# Altium PCB COPY_HIVE_BOARD.PcbDoc (part 7 of 9) (continued)
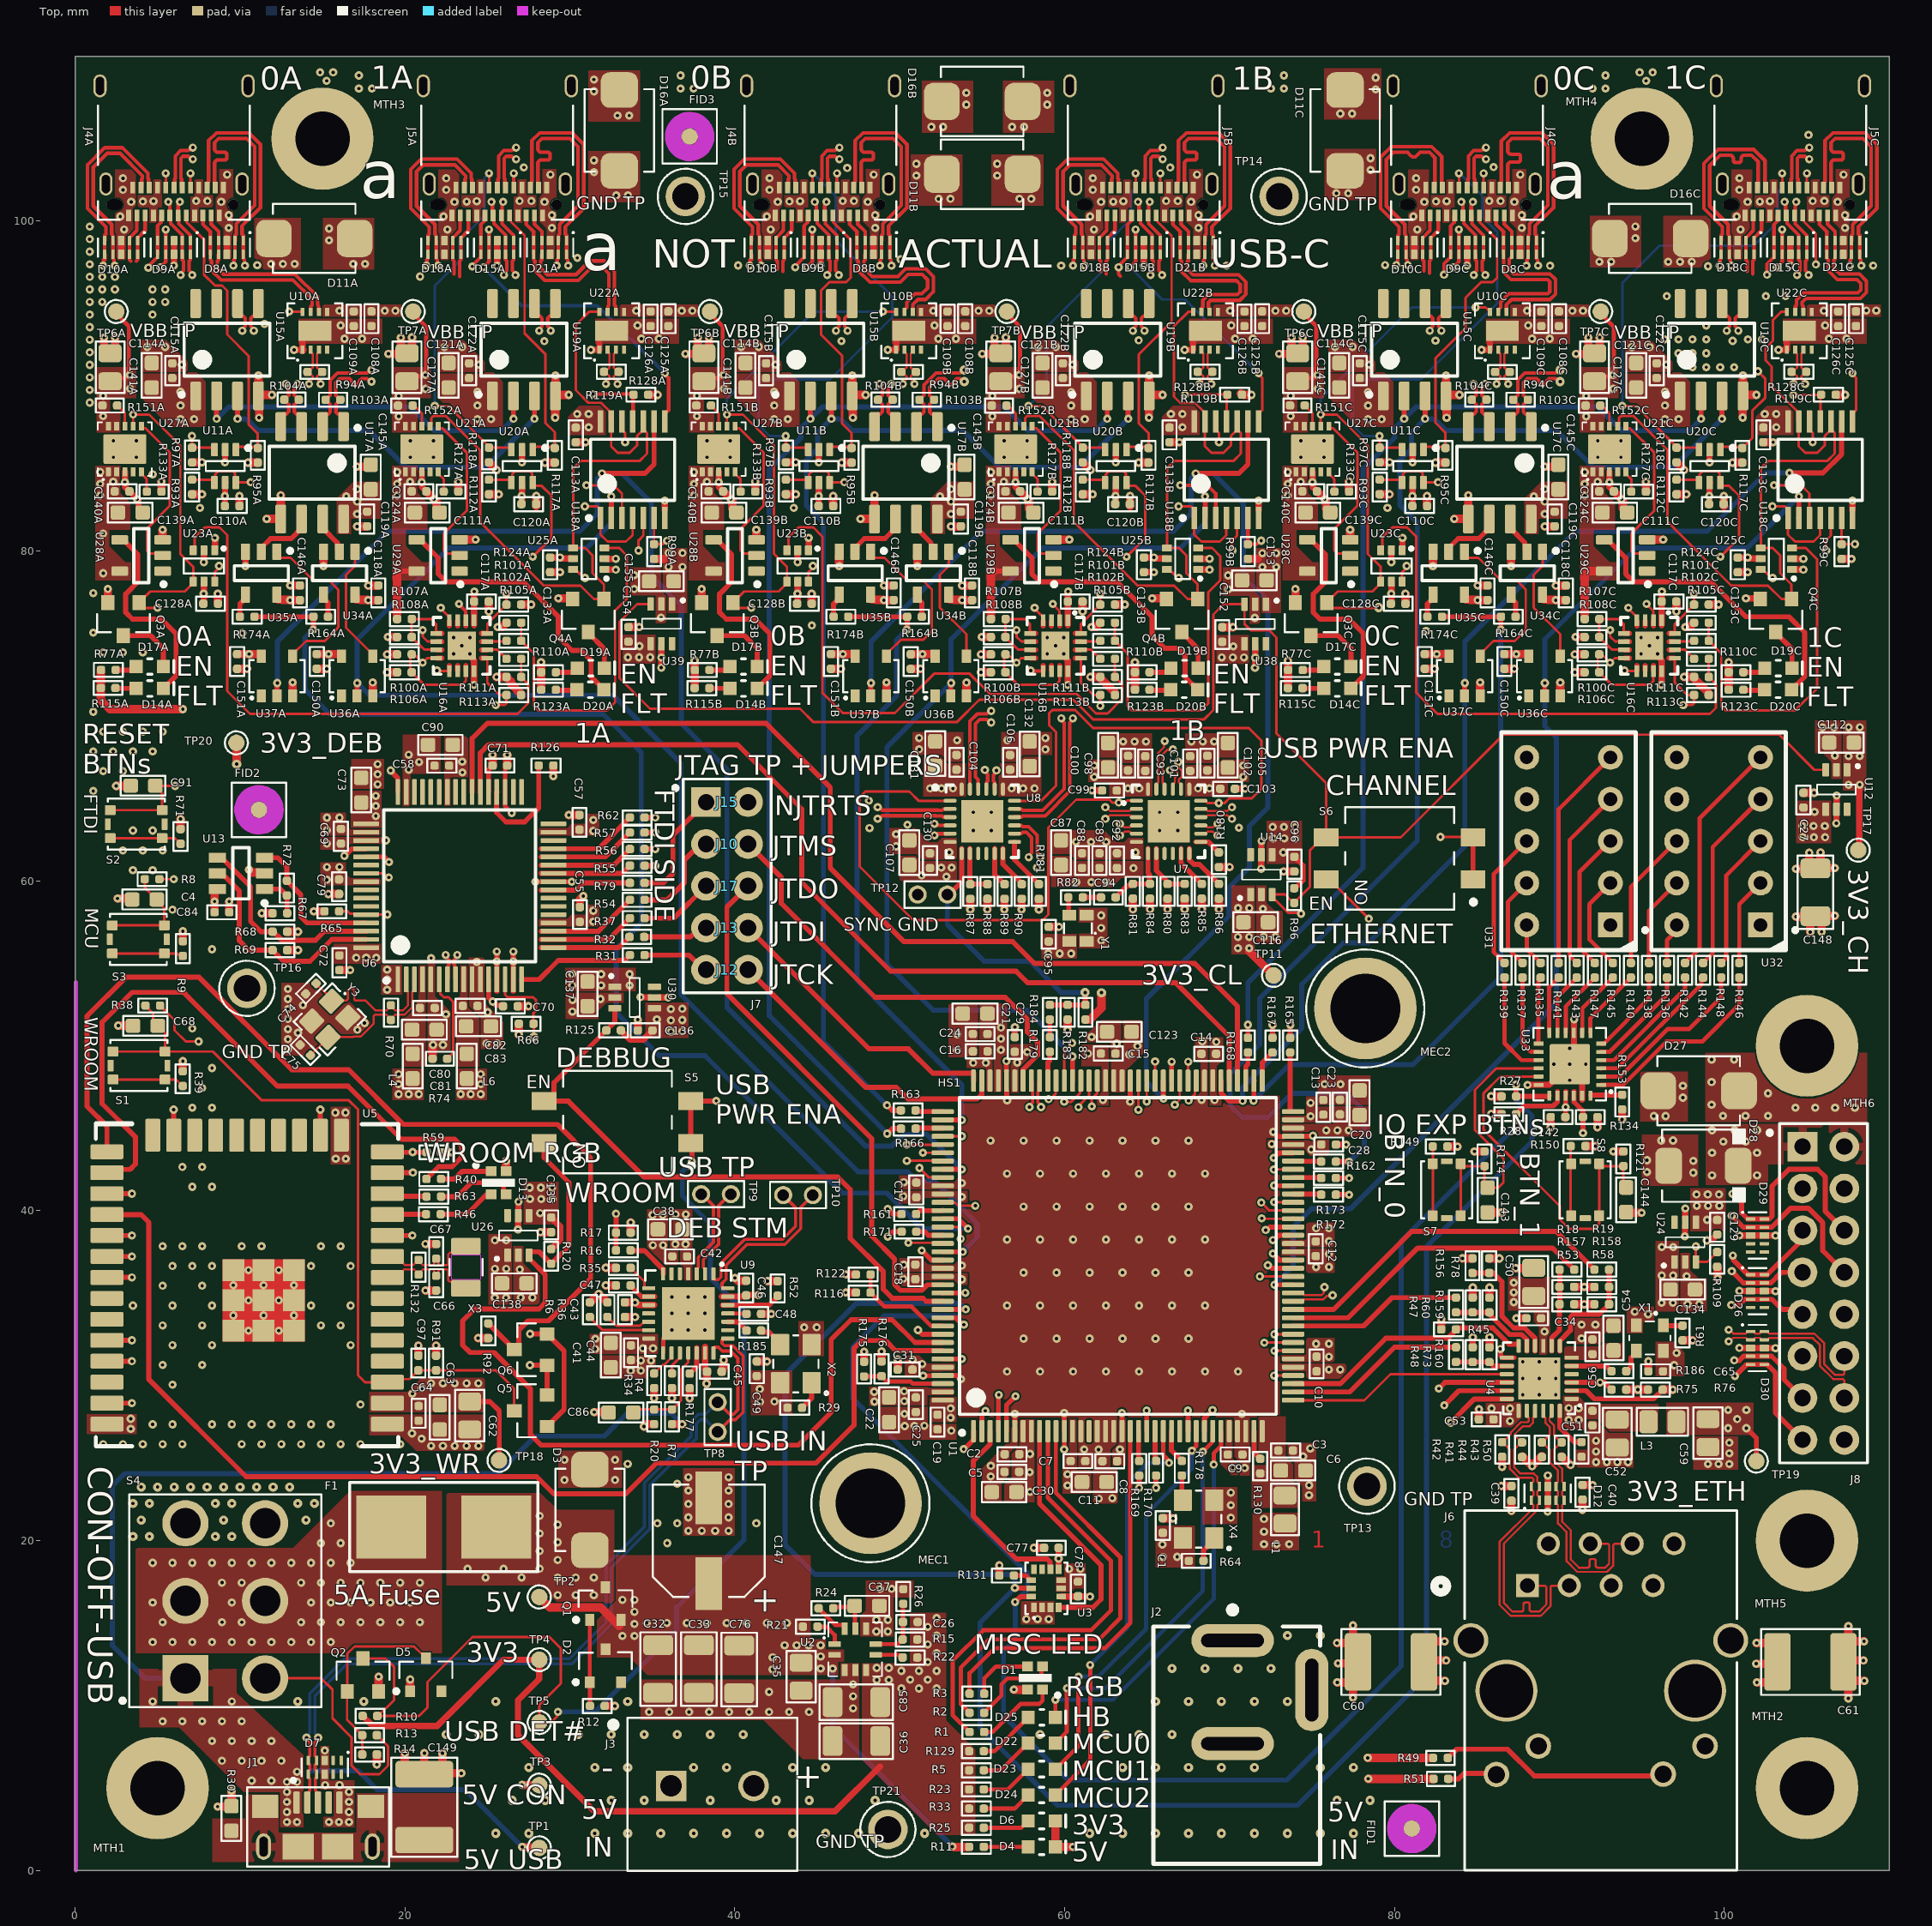
[diagram p0: Top view]
## Nets (pads, with @x,y where several pads share a name; then routed paths per layer and width w, separated by ;. In a path a pad name is that pad's centre, name@x,y a point inside that pad or via, vN(x,y) a via of type N, cw(c..) or ccw(c..) an arc to the next point about the centre after c; other vN are vias at no path point) (continued)
NetJ4A_1: J4A.1 J4A.2 J4A.3 J4A.4 R154A.2
NetJ4B_1: J4B.1 J4B.2 J4B.3 J4B.4 R154B.2
NetJ4C_1: J4C.1 J4C.2 J4C.3 J4C.4 R154C.2
NetJ5A_1: J5A.1 J5A.2 J5A.3 J5A.4 R155A.2
NetJ5B_1: J5B.1 J5B.2 J5B.3 J5B.4 R155B.2
NetJ5C_1: J5C.1 J5C.2 J5C.3 J5C.4 R155C.2
NetJ6_9: J6.9 R51.2 | length 3.1
  Top w0.305: R51.2@83.254,5.56 83.881,5.56 84.218,5.897 86.101,5.897 J6.9@86.175,5.824
NetJ6_11: J6.11 R49.2 | length 14
  Top w0.305: R49.2@83.223,6.824 83.761,7.362 86.842,7.362 88.46,5.744 96.185,5.744 J6.11@96.285,5.844
NetJ7_1: J7.1 R79.1 | length 7.1
  Top w0.305: R79.1@34.524,59.879 35.68,59.879 36.247,60.447 36.247,62.765 J7.1@38.259,64.777
NetJ7_2: J7.2 U1.131 | length 61
  Top w0.305: U1.131@52.599,35.012 U1.131@52.601,35.014 52.604,35.017 53.974,35.017 v1(53.98,35.023)
  Signal_1 w0.152: J7.2@40.799,64.777 39.541,63.519 39.541,51.331 38.298,50.088 34.183,50.088 31.415,47.32 31.415,39.6 31.745,39.271 33.016,39.271 35.953,42.207 40.333,42.207 43.175,39.365 51.228,39.365 52.761,37.833 52.761,35.759 53.476,35.043 53.96,35.043 v1(53.98,35.023)
NetJ7_3: J7.3 R54.1 | length 5.9
  Top w0.305: R54.1@34.528,58.851 35.906,58.851 36.929,59.874 36.929,61.252 37.914,62.237 J7.3@38.259,62.237
NetJ7_4: J7.4 U1.102 | length 26.6
  Top w0.305: J7.4@40.799,62.237 42.822,60.214 42.822,58.631 48.508,52.945 56.395,52.945 57.742,51.598 57.742,50.839 58.353,50.228 58.353,49.438 57.476,48.561 U1.102@57.476,47.889
NetJ7_5: J7.5 R37.1 | length 4.5
  Top w0.305: R37.1@34.528,57.741 36.303,57.741 J7.5@38.259,59.697
NetJ7_6: J7.6 U1.130 | length 32.1
  Top w0.305: J7.6@40.799,59.697 39.522,58.42 39.522,53.156 48.299,44.379 48.299,38.462 49.689,37.072 49.689,35.528 50.044,35.173 51.332,35.173 51.671,35.512 52.599,35.512 U1.130@52.601,35.514
NetJ7_7: J7.7 R32.1 | length 4
  Top w0.305: R32.1@34.503,56.601 37.299,56.601 37.854,57.157 J7.7@38.259,57.157
NetJ7_8: J7.8 U1.108 | length 17.8
  Top w0.305: J7.8@40.799,57.157 48.141,49.814 50.525,49.814 52.002,48.337 54.474,48.337 54.476,48.334 U1.108@54.476,47.889
NetJ7_9: J7.9 R31.1 | length 4.1
  Top w0.305: R31.1@34.528,55.502 37.224,55.502 38.11,54.617 J7.9@38.259,54.617
NetJ7_10: J7.10 U1.107 | length 18.4
  Top w0.305: J7.10@40.799,54.617 44.093,51.323 47.925,47.491 49.781,47.491 50.494,46.778 54.698,46.778 54.974,47.054 54.974,47.887 U1.107@54.976,47.889
NetQ5_1: Q5.1 Q6.2 U6.55 | length 61.8
  Top w0.152: U6.55@17.641,60.452 18.731,60.452 18.974,60.21 v1(19.02,60.21)
  Top w0.305: v1@27.592,32.529 Q6.2@28.623,32.529 28.673,32.529 28.921,32.281 28.921,32.231 29.649,31.503 29.649,27.948 28.921,27.22 28.921,27.17 28.673,26.923 Q5.1@28.623,26.923
  Signal_1 w0.152: v1@18.997,60.21 15.075,56.289 6.749,56.289 5.427,54.966 5.427,45.482 7.508,43.4 13.801,43.4 24.214,32.987 27.134,32.987 v1(27.587,32.534)
NetQ5_2: Q5.2 Q6.1 U6.53 | length 61.9
  Top w0.305: U6.53@17.641,61.452 18.723,61.452 v1(19.032,61.143) ; v1(27.582,30.638) 27.587,30.634 28.619,30.634 Q6.1@28.623,30.629 Q5.2@28.623,28.823
  Signal_1 w0.152: v1(19.032,61.143) 18.387,61.143 14.791,57.547 5.764,57.547 4.59,56.372 4.59,43.588 6.134,42.044 12.731,42.044 23.122,31.653 26.568,31.653 v1(27.582,30.638)
NetR4_2: R4.2 U9.17 | length 1.4
  Top w0.152: R4.2@36.191,30.141 36.191,30.623 36.406,30.838 ; 36.406,30.838 36.671,31.102 U9.17@36.671,31.377
NetR6_2: R6.2 U9.13 | length 3.9
  Top w0.152: R6.2@31.215,33.536 31.989,32.762 U9.13@34.778,32.762
NetR9_2: R9.2 S3.1 S3.2 | length 4.4
  Top w0.152: S3.2@2.258,55.605 S3.1@5.408,55.605 6.182,55.605 R9.2@6.523,55.264
NetR13_2: R13.2 S4.4 | length 14.2
  Top w0.152: S4.4@11.522,11.653 14.923,11.653 15.609,10.968 15.609,9.228 16.755,8.081 16.755,6.369 17.282,5.842 18.456,5.842 18.978,6.364 18.978,7.537 R13.2@18.296,8.219
NetR16_1: R16.1 U9.7 | length 2.7
  Top w0.305: R16.1@33.671,37.582 34.526,37.582 35.655,36.453 U9.7@35.655,36.178
NetR16_2: R16.2 R17.1 U1.98 | length 38.7
  Top w0.152: v1(59.03,46.761) 59.123,46.761 59.464,47.102 59.464,47.877 U1.98@59.476,47.889
  Top w0.305: R16.2@32.782,37.582 32.789,37.588 32.789,38.667 R17.1@32.795,38.674 32.797,38.676 32.797,39.821 v1(32.799,39.823)
  Signal_1 w0.152: v1(32.799,39.823) 32.799,46.728 35.216,49.145 53.148,49.145 55.032,47.26 58.531,47.26 v1(59.03,46.761)
NetR18_2: R18.2 U1.47 | length 19.3
  Top w0.305: U1.47@73.851,33.514 77.18,33.514 81.408,37.743 89.581,37.743 R18.2@90.892,36.431
NetR19_2: R19.2 U1.48 | length 21.2
  Top w0.305: U1.48@73.851,34.014 76.302,34.014 81.036,38.749 89.796,38.749 R19.2@92.113,36.431
NetR21_1: R21.1 U2.1 | length 1.8
  Top w0.254: R21.1@45.018,14.787 45.552,14.787 46.054,14.285 U2.1@46.054,13.731
NetR22_2: R22.2 U2.6 | length 1.7
  Top w0.254: U2.6@48.554,13.081 49.996,13.081 50.162,12.915 R22.2@50.176,12.915
NetR24_1: R24.1 U2.10 | length 2.2
  Top w0.254: R24.1@45.079,15.9 46.098,14.881 46.606,14.881 46.654,14.833 U2.10@46.654,14.656
NetR29_2: R29.2 X2.1 | length 1.8
  Top w0.305: R29.2@44.079,28.058 44.651,28.63 X2.1@44.651,29.576
NetR31_2: R31.2 U6.16 | length 7.2
  Top w0.305: U6.16@27.071,54.022 28.139,54.022 29.299,55.183 33.319,55.183 R31.2@33.639,55.502
NetR32_2: R32.2 U6.17 | length 5.6
  Top w0.305: U6.17@28.242,55.952 U6.17@28.989,55.952 ; U6.17@29.001,55.952 32.965,55.952 R32.2@33.614,56.601
NetR34_1: R34.1 U9.16 | length 1.7
  Top w0.152: R34.1@35.109,30.139 35.642,30.672 35.732,30.672 36.163,31.102 U9.16@36.163,31.377
NetR35_2: R35.2 U9.8 | length 1.8
  Top w0.152: R35.2@33.684,36.54 34.517,35.707 34.517,35.35 34.566,35.302 U9.8@34.778,35.302
NetR36_2: R36.2 U9.12 | length 2.8
  Top w0.152: R36.2@32.276,33.558 32.801,33.033 34.266,33.033 34.503,33.27 U9.12@34.778,33.27
NetR37_2: R37.2 U6.18 | length 5.9
  Top w0.305: U6.18@28.242,56.452 U6.18@28.989,56.452 ; U6.18@29.001,56.452 32.35,56.452 R37.2@33.639,57.741
NetR38_2: R38.2 U1.2 | length 65.5
  Top w0.152: R38.2@5.156,52.439 6.034,51.561 6.034,50.945 6.716,50.263 v1(7.49,50.263)
  Top w0.305: U1.2@54.976,26.639 54.979,26.642 54.979,27.593 55.192,27.806 v1(55.192,27.873)
  Signal_1 w0.152: v1(7.49,50.263) 8.209,50.263 13.918,44.555 16.025,44.555 17.285,43.295 17.285,41.468 19.678,39.075 20.965,39.075 24.129,35.912 38.717,35.912 39.494,36.69 47.231,36.69 48.742,35.179 51.079,35.179 55.192,31.066 v1(55.192,27.873)
NetR39_2: R39.2 S1.1 S1.2 | length 4.4
  Top w0.152: S1.2@2.305,47.955 S1.1@5.455,47.955 6.139,47.955 R39.2@6.53,47.565
NetR45_1: R45.1 U1.39 U4.12 | length 15.5
  Top w0.305: U1.39@73.851,29.514 76.711,29.514 79.464,32.268 83.228,32.268 83.742,32.783 83.742,32.817 83.819,32.893 85.96,32.893 86.938,31.915 U4.12@87.492,31.915
NetR47_2: R47.2 U1.46 | length 10.6
  Top w0.305: U1.46@73.851,33.014 78.125,33.014 79.845,34.734 R47.2@83.721,34.734
NetR48_2: R48.2 U1.38 | length 11
  Top w0.305: U1.38@73.851,29.014 77.284,29.014 79.996,31.726 R48.2@83.721,31.726
NetR50_2: R50.2 U4.24 | length 3
  Top w0.305: U4.24@90.019,28.186 90.019,26.851 90.888,25.983 91.233,25.983 91.242,25.974 R50.2@91.335,25.974
NetR52_2: R52.2 U9.26 | length 3.6
  Top w0.305: U9.26@39.25,34.286 U9.26@39.579,34.286 42.081,34.286 42.494,34.699 42.494,34.746 R52.2@42.596,34.848
NetR54_2: R54.2 U6.19 | length 6.2
  Top w0.305: U6.19@28.242,56.952 U6.19@28.989,56.952 ; U6.19@29.001,56.952 31.74,56.952 31.862,57.074 R54.2@33.639,58.851
NetR55_1: R55.1 U5.16 | length 32.6
  Top w0.305: U5.16@14.877,44.579 v1@14.877,46.124 ; R55.1@34.524,60.922 v1(35.176,60.922)
  Signal_1 w0.152: v1(14.87,46.131) 14.87,46.168 20.828,52.127 20.828,58.946 22.804,60.922 v1(35.176,60.922)
NetR55_2: R55.2 U6.26 | length 5.6
  Top w0.305: U6.26@28.242,60.452 U6.26@28.989,60.452 ; U6.26@29.001,60.452 33.166,60.452 R55.2@33.635,60.922
NetR56_1: R56.1 R59.2 U5.14 | length 32.3
  Top w0.305: U5.14@18.932,43.579 18.964,43.546 R59.2@21.308,43.546 ; R59.2@21.311,43.546 R59.2@21.308,43.546 ; R59.2@21.311,43.55 R59.2@21.308,43.546 ; R56.1@34.524,61.933 v1(35.176,61.933)
  Signal_1 w0.152: v1(20.466,43.558) 21.511,44.602 24.745,44.602 28.487,48.344 28.487,55.824 29.674,57.011 33.804,57.011 35.799,59.007 35.799,61.31 v1(35.176,61.933)
NetR56_2: R56.2 U6.27 | length 5.8
  Top w0.305: U6.27@28.242,60.952 U6.27@28.989,60.952 ; U6.27@29.001,60.952 32.655,60.952 R56.2@33.635,61.933
NetR57_1: R57.1 U5.23 | length 43.2
  Top w0.305: U5.23@5.987,44.579 v1@5.987,46.124 ; R57.1@34.524,62.933 v1(35.176,62.933)
  Signal_1 w0.152: v1(5.98,46.131) 7.176,47.327 7.176,49.468 6.446,50.199 6.446,53.782 7.881,55.217 15.238,55.217 21.954,61.933 34.175,61.933 v1(35.176,62.933)
NetR57_2: R57.2 U6.28 | length 6
  Top w0.305: U6.28@28.242,61.452 U6.28@28.989,61.452 ; U6.28@29.001,61.452 32.154,61.452 R57.2@33.635,62.933
NetR61_2: R61.2 X1.1 | length 1.2
  Top w0.305: X1.1@96.272,33.011 96.284,33.023 97.446,33.023 R61.2@97.458,33.035
NetR62_1: R62.1 U5.13 | length 36.2
  Top w0.305: U5.13@18.925,42.302 U5.13@18.932,42.309 v1@20.477,42.309 ; R62.1@34.524,63.843 v1(35.176,63.843)
  Signal_1 w0.152: v1(20.484,42.316) 24.24,42.316 29.356,47.432 29.356,54.89 30.005,55.539 34.773,55.539 36.872,57.638 36.872,62.146 v1(35.176,63.843)
NetR62_2: R62.2 U6.29 | length 6.2
  Top w0.305: U6.29@28.242,61.952 U6.29@28.989,61.952 ; U6.29@29.001,61.952 31.745,61.952 R62.2@33.635,63.843
NetR65_1: R65.1 U1.127 U6.60 | length 61.6
  Top w0.152: R65.1@16.009,58.155 16.022,58.168 16.516,58.168 16.667,58.016 17.578,58.016 U6.60@17.641,57.952 17.646,57.957 18.933,57.957 v1(18.938,57.962)
  Top w0.305: v1(51.335,37.589) 51.907,37.017 52.599,37.017 U1.127@52.601,37.014
  Signal_1 w0.152: v1(18.938,57.962) 19.693,57.207 19.693,52.635 15.517,48.459 14.252,47.194 14.252,45.854 14.69,45.416 17.219,45.416 18.118,44.517 18.118,42.009 19.91,40.217 21.722,40.217 24.88,37.06 37.97,37.06 38.499,37.589 v1(51.335,37.589)
NetR67_1: R67.1 R72.2 U13.1 | length 2.6
  Top w0.305: U13.1@11.486,59.506 12.455,59.506 R72.2@12.844,59.116 12.853,59.107 12.853,58.05 R67.1@12.863,58.04
NetR71_2: R71.2 S2.1 S2.2 | length 4.4
  Top w0.152: S2.2@2.133,62.59 S2.1@5.283,62.59 6.056,62.59 R71.2@6.397,62.249
NetR74_2: R74.2 U6.6 | length 5.5
  Top w0.152: U6.6@22.071,54.022 22.133,53.961 22.133,53.166 22.358,52.941 22.649,52.941 22.936,52.654 22.936,49.59 R74.2@22.564,49.217
NetR79_2: R79.2 U6.24 | length 5.6
  Top w0.305: U6.24@28.254,59.44 U6.24@29.001,59.44 ; U6.24@29.014,59.44 29.715,59.44 30.408,59.44 30.847,59.879 R79.2@33.635,59.879
NetR80_1: R80.1 R83.2 U7.8 | length 3.4
  Top w0.305: U7.8@65.554,61.965 U7.8@65.554,61.663 65.554,60.624 R80.1@66.299,59.878 ; R80.1@66.238,59.817 66.242,59.812 67.268,59.812 R83.2@67.274,59.819
NetR82_2: R82.2 Y1.3 | length 1.1
  Top w0.305: R82.2@60.21,59.003 60.244,58.969 60.244,57.959 Y1.3@60.278,57.925
NetR85_1: R85.1 U7.11 | length 2.7
  Top w0.305: U7.11@67.054,61.965 U7.11@67.054,61.663 67.054,61.062 67.602,60.514 67.613,60.514 68.209,59.919 R85.1@68.311,59.817
NetR86_1: R86.1 U7.12 | length 3.1
  Top w0.305: U7.12@67.554,61.965 67.554,61.275 67.831,60.998 68.166,60.998 69.245,59.919 R86.1@69.347,59.817
NetR87_1: R87.1 R88.2 U8.8 | length 3.2
  Top w0.305: R87.1@54.254,59.802 U8.8@54.254,61.663 U8.8@54.254,61.965 ; R87.1@54.275,59.802 R87.1@54.275,59.802 R88.2@55.315,59.804 R88.2@55.315,59.804
NetR89_1: R89.1 U8.11 | length 2.4
  Top w0.305: U8.11@55.754,61.965 U8.11@55.754,61.663 55.754,60.393 56.243,59.903 R89.1@56.345,59.802
NetR90_1: R90.1 U8.12 | length 2.6
  Top w0.305: U8.12@56.254,61.965 56.254,61.015 57.28,59.989 57.28,59.903 R90.1@57.381,59.802
NetR100A_2: R100A.2 R106A.1 U16A.4 U16A.6 U16A.8 U16A.11 | length 13.7
  Top w0.152: v1(21.075,75.208) 21.075,74.81 21.366,74.519 21.881,74.519 U16A.6@21.894,74.506 ; U16A.8@21.894,73.506 21.353,73.506 v1(21.075,73.228) 20.57,73.733 R100A.2@20.412,73.733 20.32,73.641 20.32,72.739 R106A.1@20.41,72.649 21.177,71.882 23.444,71.882 23.694,72.131 U16A.11@23.694,72.706 ; v1(22.174,76.556) 22.174,76.511 22.694,75.991 U16A.4@22.694,75.806
  Signal_2 w0.152: v1(21.075,73.228) v1(21.075,75.208) 21.075,76.045 21.585,76.556 v1(22.174,76.556)
NetR100B_2: R100B.2 R106B.1 U16B.4 U16B.6 U16B.8 U16B.11 | length 13.7
  Top w0.152: v1(57.075,75.208) 57.075,74.81 57.366,74.519 57.881,74.519 U16B.6@57.894,74.506 ; U16B.8@57.894,73.506 57.353,73.506 v1(57.075,73.228) 56.57,73.733 R100B.2@56.412,73.733 56.32,73.641 56.32,72.739 R106B.1@56.41,72.649 57.177,71.882 59.444,71.882 59.694,72.131 U16B.11@59.694,72.706 ; v1(58.174,76.556) 58.174,76.511 58.694,75.991 U16B.4@58.694,75.806
  Signal_2 w0.152: v1(57.075,73.228) v1(57.075,75.208) 57.075,76.045 57.585,76.556 v1(58.174,76.556)
NetR100C_2: R100C.2 R106C.1 U16C.4 U16C.6 U16C.8 U16C.11 | length 13.7
  Top w0.152: v1(93.075,75.208) 93.075,74.81 93.366,74.519 93.881,74.519 U16C.6@93.894,74.506 ; U16C.8@93.894,73.506 93.353,73.506 93.075,73.228 92.57,73.733 R100C.2@92.412,73.733 92.32,73.641 92.32,72.739 R106C.1@92.41,72.649 93.177,71.882 95.444,71.882 95.694,72.131 U16C.11@95.694,72.706 ; v1(94.174,76.556) 94.174,76.511 94.694,75.991 U16C.4@94.694,75.806
  Signal_2 w0.152: v1(93.066,73.228) 93.066,75.199 v1(93.075,75.208) 93.075,76.045 93.585,76.556 v1(94.174,76.556)
NetR102A_1: R102A.1 U16A.15 | length 1.2
  Top w0.152: U16A.15@25.006,74.519 26.12,74.519 R102A.1@26.158,74.557
NetR102B_1: R102B.1 U16B.15 | length 1.2
  Top w0.152: U16B.15@61.006,74.519 62.12,74.519 R102B.1@62.158,74.557
NetR102C_1: R102C.1 U16C.15 | length 1.2
  Top w0.152: U16C.15@97.006,74.519 98.12,74.519 R102C.1@98.158,74.557
NetR105A_1: R105A.1 U16A.14 | length 1.4
  Top w0.152: U16A.14@25.003,74.016 25.604,74.016 R105A.1@26.158,73.461
NetR105B_1: R105B.1 U16B.14 | length 1.4
  Top w0.152: U16B.14@61.003,74.016 61.604,74.016 R105B.1@62.158,73.461
NetR105C_1: R105C.1 U16C.14 | length 1.4
  Top w0.152: U16C.14@97.003,74.016 97.604,74.016 R105C.1@98.158,73.461
NetR107A_2: R107A.2 R108A.2 U16A.5 U16A.7 | length 5.1
  Top w0.152: U16A.7@21.894,74.006 21.881,74.019 21.174,74.019 20.942,74.251 R108A.2@20.41,74.783 20.413,74.787 20.413,75.871 R107A.2@20.417,75.874 21.597,75.874 21.894,75.578 U16A.5@21.894,75.006
NetR107B_2: R107B.2 R108B.2 U16B.5 U16B.7 | length 5.1
  Top w0.152: U16B.7@57.894,74.006 57.881,74.019 57.174,74.019 56.942,74.251 R108B.2@56.41,74.783 56.413,74.787 56.413,75.871 R107B.2@56.417,75.874 57.597,75.874 57.894,75.578 U16B.5@57.894,75.006
NetR107C_2: R107C.2 R108C.2 U16C.5 U16C.7 | length 5.1
  Top w0.152: U16C.7@93.894,74.006 93.881,74.019 93.174,74.019 92.942,74.251 R108C.2@92.41,74.783 92.413,74.787 92.413,75.871 R107C.2@92.417,75.874 93.597,75.874 93.894,75.578 U16C.5@93.894,75.006
NetR116_2: R116.2 R122.1 U1.135 | length 6.3
  Top w0.254: R122.1@48.23,36.135 R116.2@48.23,35.043 49.073,34.2 50.712,34.2 51.875,33.037 52.578,33.037 U1.135@52.601,33.014
NetR126_1: R126.1 U6.36 | length 7
  Top w0.305: U6.36@25.571,65.382 25.559,65.37 25.559,64.669 25.552,64.662 25.552,64.146 26.122,63.576 27.261,63.576 28.11,64.426 R126.1@28.11,66.995
NetR127A_1: R127A.1 U21A.5 | length 1.3
  Top w0.152: U21A.5@22.023,84.797 22.023,84.682 22.351,84.354 R127A.1@22.351,83.604
NetR127B_1: R127B.1 U21B.5 | length 1.3
  Top w0.152: U21B.5@58.023,84.797 58.023,84.682 58.351,84.354 R127B.1@58.351,83.604
NetR127C_1: R127C.1 U21C.5 | length 1.3
  Top w0.152: U21C.5@94.023,84.797 94.023,84.682 94.351,84.354 R127C.1@94.351,83.604
NetR130_2: R130.2 U1.35 | length 1.8
  Top w0.305: U1.35@71.476,26.639 71.476,25.343 R130.2@71.854,24.965
NetR133A_1: R133A.1 U27A.5 | length 1.3
  Top w0.152: U27A.5@4.023,84.797 4.023,84.682 4.351,84.354 R133A.1@4.351,83.604
NetR133B_1: R133B.1 U27B.5 | length 1.2
  Top w0.152: U27B.5@40.023,84.682 40.351,84.354 R133B.1@40.351,83.604
NetR133C_1: R133C.1 U27C.5 | length 1.3
  Top w0.152: U27C.5@76.023,84.797 76.023,84.682 76.351,84.354 R133C.1@76.351,83.604
NetR135_2: R135.2 U31.10 | length 2.7
  Top w0.254: U31.10@88.008,57.33 88.008,55.872 R135.2@88.854,55.027
NetR136_2: R136.2 U32.10 | length 2.5
  Top w0.254: R136.2@96.517,55.027 96.517,56.403 97.104,56.99 U32.10@97.104,57.33
NetR137_2: R137.2 U31.9 | length 5.7
  Top w0.254: R137.2@87.759,55.027 86.865,55.92 86.865,58.727 U31.9@88.008,59.87
NetR138_2: R138.2 U32.9 | length 5.5
  Top w0.254: R138.2@95.423,55.027 95.423,58.188 U32.9@97.104,59.87
NetR139_2: R139.2 U31.8 | length 8.5
  Top w0.254: R139.2@86.664,55.027 86.025,55.666 86.025,60.427 U31.8@88.008,62.41
NetR140_2: R140.2 U32.8 | length 8.5
  Top w0.254: R140.2@94.328,55.027 94.328,59.634 U32.8@97.104,62.41
NetR141_2: R141.2 U31.5 | length 13.8
  Top w0.254: R141.2@89.949,55.027 89.949,64.35 U31.5@93.088,67.49
NetR142_2: R142.2 U32.5 | length 14.4
  Top w0.254: R142.2@97.612,55.027 98.501,55.915 98.501,63.807 U32.5@102.184,67.49
NetR143_2: R143.2 U31.4 | length 11.1
  Top w0.254: R143.2@91.043,55.027 90.609,55.461 90.609,62.471 U31.4@93.088,64.95
NetR144_2: R144.2 U32.4 | length 11.4
  Top w0.254: R144.2@98.707,55.027 99.289,55.609 99.289,62.055 U32.4@102.184,64.95
NetR145_2: R145.2 U31.2 | length 6
  Top w0.254: U31.2@93.088,59.87 91.804,58.585 91.804,56.456 R145.2@93.233,55.027
NetR146_2: R146.2 U32.2 | length 5.4
  Top w0.254: R146.2@100.897,55.027 100.897,58.583 U32.2@102.184,59.87
NetR147_2: R147.2 U31.3 | length 8.5
  Top w0.254: R147.2@92.138,55.027 91.216,55.948 91.216,60.538 U31.3@93.088,62.41
NetR148_2: R148.2 U32.3 | length 8.4
  Top w0.254: R148.2@99.802,55.027 100.11,55.334 100.11,60.335 U32.3@102.184,62.41
NetR149_2: R149.2 S7.1 S7.2 | length 4.2
  Top w0.152: S7.1@82.31,39.705 82.314,39.705 R149.2@82.314,43.897
NetR150_2: R150.2 S8.1 S8.2 | length 4.2
  Top w0.152: R150.2@90.679,43.922 90.679,39.727 S8.1@90.707,39.699
NetR151A_2: R151A.2 U27A.8 | length 1.5
  Top w0.152: R151A.2@2.553,88.824 3.023,88.354 U27A.8@3.023,87.567
NetR151B_2: R151B.2 U27B.8 | length 1.5
  Top w0.152: R151B.2@38.553,88.824 39.023,88.354 U27B.8@39.023,87.567
NetR151C_2: R151C.2 U27C.8 | length 1.5
  Top w0.152: R151C.2@74.553,88.824 75.023,88.354 U27C.8@75.023,87.567
NetR152A_2: R152A.2 U21A.8 | length 1.5
  Top w0.152: R152A.2@20.553,88.824 21.023,88.354 U21A.8@21.023,87.567
NetR152B_2: R152B.2 U21B.8 | length 1.5
  Top w0.152: R152B.2@56.553,88.824 57.023,88.354 U21B.8@57.023,87.567
NetR152C_2: R152C.2 U21C.8 | length 1.5
  Top w0.152: R152C.2@92.553,88.824 93.023,88.354 U21C.8@93.023,87.567
NetR153_1: R153.1 U33.24 | length 1.9
  Top w0.305: U33.24@91.898,47.01 R153.1@93.775,47.01
  Top w0.381: R153.1@93.775,47.01 R153.1@93.799,47.034
NetR161_2: R161.2 U1.121 | length 1.7
  Top w0.305: R161.2@50.993,39.799 51.206,40.012 52.599,40.012 U1.121@52.601,40.014
NetR162_2: R162.2 U1.66 | length 1.7
  Top w0.305: U1.66@73.851,43.014 73.867,42.999 75.527,42.999 R162.2@75.543,42.983
NetR163_1: R163.1 U1.109 | length 1.7
  Top w0.305: R163.1@50.956,46.086 51.025,46.017 52.599,46.017 U1.109@52.601,46.014
NetR164A_1: R164A.1 U34A.4 | length 1.5
  Top w0.305: U34A.4@15.073,77.358 15.073,77.133 15.337,76.868 R164A.1@15.337,76.016
NetR164B_1: R164B.1 U34B.4 | length 1.5
  Top w0.305: U34B.4@51.073,77.358 51.073,77.133 51.337,76.868 R164B.1@51.337,76.016
NetR164C_1: R164C.1 U34C.4 | length 1.5
  Top w0.305: U34C.4@87.073,77.358 87.073,77.133 87.337,76.868 R164C.1@87.337,76.016
NetR165_1: R165.1 U4.17 | length 41.2
  Top w0.305: R165.1@73.672,50.486 73.675,50.489 73.675,51.278 v1(73.678,51.281) ; v1(83.013,28.201) 83.903,29.091 U4.17@86.801,29.091 U4.17@87.123,29.091
  Signal_1 w0.152: v1(73.678,51.281) 73.678,47.469 69.731,43.521 69.731,31.789 73.319,28.201 v1(83.013,28.201)
NetR165_2: R165.2 U1.72 | length 3.8
  Top w0.305: R165.2@73.672,49.597 73.672,46.017 73.675,46.014 U1.72@73.851,46.014
NetR166_1: R166.1 U1.111 | length 1.6
  Top w0.305: R166.1@50.996,45.014 U1.111@52.601,45.014
NetR167_1: R167.1 U4.18 | length 44.1
  Top w0.305: R167.1@72.599,50.486 v1@72.599,51.275 ; v1(83.401,27.158) 84.834,28.591 U4.18@86.801,28.591 U4.18@87.123,28.591
  Signal_1 w0.152: v1(72.602,51.278) 72.602,47.164 67.972,42.534 67.972,31.46 72.274,27.158 v1(83.401,27.158)
NetR167_2: R167.2 U1.73 | length 2
  Top w0.305: U1.73@71.976,47.889 71.976,48.975 R167.2@72.599,49.597
NetR168_2: R168.2 U1.75 | length 1.8
  Top w0.305: U1.75@70.976,47.889 70.979,47.892 70.979,48.757 71.108,48.886 R168.2@71.108,49.597
NetR169_1: R169.1 U5.30 | length 76.9
  Top w0.305: U5.30@1.932,37.229 v1(3.448,37.229) ; v1(64.51,23.195) 64.513,23.198 64.513,23.937 R169.1@64.516,23.939
  Signal_1 w0.152: v1(3.448,37.229) 2.928,36.709 2.928,33.987 7.442,29.473 15.412,29.473 20.562,24.323 33.041,24.323 34.316,23.047 34.316,20.382 35.778,18.92 53.565,18.92 56.453,21.809 63.123,21.809 v1(64.51,23.195)
NetR169_2: R169.2 U1.21 | length 1.8
  Top w0.305: U1.21@64.476,26.639 64.479,26.637 64.479,24.866 R169.2@64.516,24.828
NetR170_1: R170.1 U5.37 | length 70.5
  Top w0.305: U5.37@1.932,28.339 v1(3.448,28.339) ; v1@65.54,23.209 R170.1@65.54,23.948
  Signal_1 w0.152: v1(3.448,28.339) 15.477,28.339 20.204,23.612 28.541,23.612 33.863,18.29 54.44,18.29 57.218,21.068 63.399,21.068 v1(65.537,23.206)
NetR170_2: R170.2 U1.23 | length 1.8
  Top w0.305: U1.23@65.476,26.639 65.476,24.9 R170.2@65.54,24.837
NetR171_1: R171.1 U1.124 | length 1.7
  Top w0.305: R171.1@51.003,38.735 51.515,38.735 51.733,38.517 52.599,38.517 U1.124@52.601,38.514
NetR172_1: R172.1 U1.62 | length 1.7
  Top w0.305: U1.62@73.851,41.014 73.854,41.012 75.52,41.012 R172.1@75.552,40.98
NetR173_1: R173.1 U1.64 | length 1.7
  Top w0.305: U1.64@73.851,42.014 73.854,42.012 75.527,42.012 R173.1@75.552,41.986
NetR174A_1: R174A.1 U35A.4 | length 1.5
  Top w0.305: R174A.1@9.99,76.016 9.99,76.789 10.334,77.133 U35A.4@10.334,77.358
NetR174B_1: R174B.1 U35B.4 | length 1.5
  Top w0.305: R174B.1@45.99,76.016 45.99,76.789 46.334,77.133 U35B.4@46.334,77.358
NetR174C_1: R174C.1 U35C.4 | length 1.5
  Top w0.305: R174C.1@81.99,76.016 81.99,76.789 82.334,77.133 U35C.4@82.334,77.358
NetR175_1: R175.1 R176.1 U1.142 | length 5
  Top w0.254: R175.1@47.838,29.955 47.849,29.967 R176.1@48.899,29.967 ; R176.1@48.893,29.972 R176.1@48.899,29.967 ; R176.1@48.979,29.967 R176.1@48.899,29.967 ; U1.142@52.601,29.514 52.592,29.523 50.792,29.523 50.673,29.642 49.224,29.642 R176.1@48.899,29.967
NetR177_2: R177.2 U9.19 | length 1.7
  Top w0.305: R177.2@37.266,30.132 37.687,30.553 U9.19@37.687,31.377 U9.19@37.687,31.706
NetR178_1: R178.1 X4.3 | length 1.5
  Top w0.305: R178.1@67.101,23.948 67.101,22.522 X4.3@67.163,22.46
NetR178_2: R178.2 U1.25 | length 2.1
  Top w0.305: U1.25@66.476,26.639 66.476,25.462 R178.2@67.101,24.837
NetR179_1: R179.1 R184.2 | length 1.1
  Top w0.305: R179.1@59.101,50.527 R184.2@59.101,51.593
NetR179_2: R179.2 U1.99 | length 1.8
  Top w0.305: U1.99@58.976,47.889 58.976,48.99 59.101,49.115 R179.2@59.101,49.638
NetR180_1: R180.1 U7.13 | length 1.7
  Top w0.305: U7.13@67.952,62.363 U7.13@68.254,62.363 68.709,62.363 R180.1@69.347,61.725
NetR181_1: R181.1 U8.13 | length 3.2
  Top w0.305: U8.13@56.954,62.363 56.954,61.285 R181.1@58.438,59.802
NetR182_1: R182.1 R183.2 R184.1 TP12.1 U8.7 | length 18
  Top w0.305: TP12.1@52.882,59.171 52.973,59.171 53.754,59.952 U8.7@53.754,61.965 ; R184.1@59.101,52.482 R182.1@61.258,52.482 61.247,52.494 61.247,53.226 v2(61.235,53.237)
  Bottom w0.305: TP12.1@52.882,59.171 52.882,57.355 55.117,55.121 57.89,55.121 59.774,53.237 v2(61.235,53.237)
NetR185_1: R185.1 X2.3 | length 1.6
  Top w0.305: R185.1@41.595,32.741 41.697,32.639 42.088,32.639 42.751,31.976 X2.3@42.751,31.876
NetR185_2: R185.2 U9.24 | length 1.3
  Top w0.305: U9.24@39.579,33.27 40.177,33.27 R185.2@40.706,32.741
NetR186_1: R186.1 U4.5 | length 2.9
  Top w0.305: U4.5@90.425,30.591 U4.5@90.738,30.591 92.842,30.591 R186.1@93.156,30.277
NetR186_2: R186.2 X1.3 | length 1.5
  Top w0.305: R186.2@94.045,30.277 94.147,30.378 94.159,30.378 94.337,30.557 94.337,31.092 94.654,31.408 X1.3@94.654,31.508
NetU1_1: U1.1 U5.10 | length 47.9
  Top w0.305: U5.10@18.932,38.499 v1(20.448,38.499) ; v1(53.875,25.548) 53.905,25.548 54.476,26.119 U1.1@54.476,26.639
  Signal_1 w0.152: v1(20.448,38.499) 20.448,37.993 24.532,33.908 31.963,33.908 33.669,32.203 42.086,32.203 44.213,34.33 51.213,34.33 54.619,30.923 54.619,26.291 v1(53.875,25.548)
NetU1_22: U1.22 U5.31 | length 73.9
  Top w0.305: U5.31@1.932,35.959 v1(3.448,35.959) ; U1.22@64.974,26.642 v1@64.974,27.881
  Signal_1 w0.152: v1(3.448,35.959) 8.936,30.471 15.718,30.471 20.955,25.234 26.587,25.234 27.157,25.805 33.185,25.805 34.339,24.651 43.119,24.651 44.164,25.696 50.797,25.696 53.357,23.136 55.788,23.136 57.247,24.596 63.322,24.596 64.967,26.24 v1(64.967,27.888)
NetU1_29: U1.29 U4.13 | length 24.7
  Top w0.305: U1.29@68.474,26.642 U1.29@68.476,26.639 68.479,26.642 68.479,27.442 68.951,27.915 v1(68.961,27.915) ; v1(86.411,31.623) 86.448,31.586 86.448,31.199 86.556,31.091 87.232,31.091
  Signal_1 w0.152: v1(68.961,27.915) 70.724,26.152 83.434,26.152 84.315,27.033 84.315,29.528 v1(86.411,31.623)
NetU1_67: U1.67 U4.16 | length 30.1
  Top w0.305: v1(72.669,43.205) 72.976,43.512 73.849,43.512 U1.67@73.851,43.514 ; v1(82.681,29.224) 83.047,29.591 U4.16@86.801,29.591 U4.16@87.123,29.591
  Signal_1 w0.152: v1(72.669,43.205) 71.241,41.777 71.241,32.265 74.282,29.224 v1(82.681,29.224)
NetU1_76: U1.76 U6.39 | length 64.5
  Top w0.305: U6.39@24.071,65.382 24.071,68.634 24.991,69.554 41.895,69.554 45.789,65.66 45.789,60.785 50.26,56.314 56.845,56.314 58.164,54.996 67.885,54.996 70.476,52.404 U1.76@70.476,47.889
NetU1_77: U1.77 U6.38 | length 60.6
  Top w0.305: U6.38@24.571,65.382 24.571,67.755 25.075,68.259 40.158,68.259 44.062,64.355 44.062,59.909 49.44,54.531 57.05,54.531 57.764,53.817 66.741,53.817 69.976,50.582 U1.77@69.976,47.889
NetU1_136: U1.136 U5.29 | length 57.6
  Top w0.305: U5.29@1.932,38.499 v1(3.448,38.499) ; v1(51.103,32.769) 51.358,32.514 U1.136@52.601,32.514
  Signal_1 w0.152: v1(3.448,38.499) 11.335,38.499 19.042,30.792 19.042,29.666 20.484,28.225 34.023,28.225 36.103,30.304 45.694,30.304 48.159,32.769 v1(51.103,32.769)
NetU1_138: U1.138 U5.28 | length 70.1
  Top w0.305: U5.28@1.932,39.769 4.001,39.769 4.478,39.291 4.478,29.775 10.372,23.882 27.983,23.882 29.027,22.838 33.387,22.838 35.245,24.696 44.919,24.696 47.222,26.999 47.222,31.652 47.704,32.134 49.137,32.134 49.756,31.514 U1.138@52.601,31.514
NetU1_139: U1.139 U5.27 | length 60.3
  Top w0.305: U5.27@1.932,41.039 v1(3.448,41.039) ; U1.139@52.606,31.019 v1@53.772,31.019
  Signal_1 w0.152: v1(3.448,41.039) 3.932,40.555 11.317,40.555 21.286,30.586 25.536,30.586 26.445,29.677 34.39,29.677 36.164,31.451 45.05,31.451 47.013,33.413 51.372,33.413 v1(53.772,31.013)
NetU5_34: U5.34 U6.48 | length 62.5
  Top w0.305: U5.34@1.932,32.149 v1(3.448,32.149) ; v1@19.138,66.666 19.559,66.245 U6.48@19.559,65.395
  Signal_1 w0.152: v1(3.448,32.149) 4.235,31.362 4.235,30.016 3.654,29.436 2.937,29.436 0.781,31.591 0.781,63.221 5.145,67.585 18.75,67.585 19.138,67.197 v1(19.138,66.692)
NetU5_35: U5.35 U6.52 | length 55.1
  Top w0.305: U5.35@1.932,30.879 v1(3.448,30.879) ; v1(16.332,61.519) 16.358,61.519 16.779,61.94 U6.52@17.629,61.94
  Signal_1 w0.152: v1(3.448,30.879) 1.88,32.447 1.88,63.005 3.87,64.996 16.324,64.996 17.098,64.221 17.098,62.285 v1(16.332,61.519)
PHY_LED_1: J6.10 R75.2 U4.3 | length 72.6
  Top w0.305: U4.3@90.425,29.591 U4.3@90.738,29.591 92.723,29.591 R75.2@93.154,29.159
  Signal_2 w0.305: J6.10@88.715,7.544 96.373,7.544 98.775,5.142 98.775,3.301 101.275,0.801 107.703,0.801 109.193,2.291 109.193,23.174 107.664,24.703 102.324,24.703 100.998,23.377 98.81,23.377 98.042,24.145 98.042,29.378 97.507,29.913 92.778,29.913 v1(92.456,29.591)